# KiCad board Phoenix612 Complete v1.1.kicad_pcb
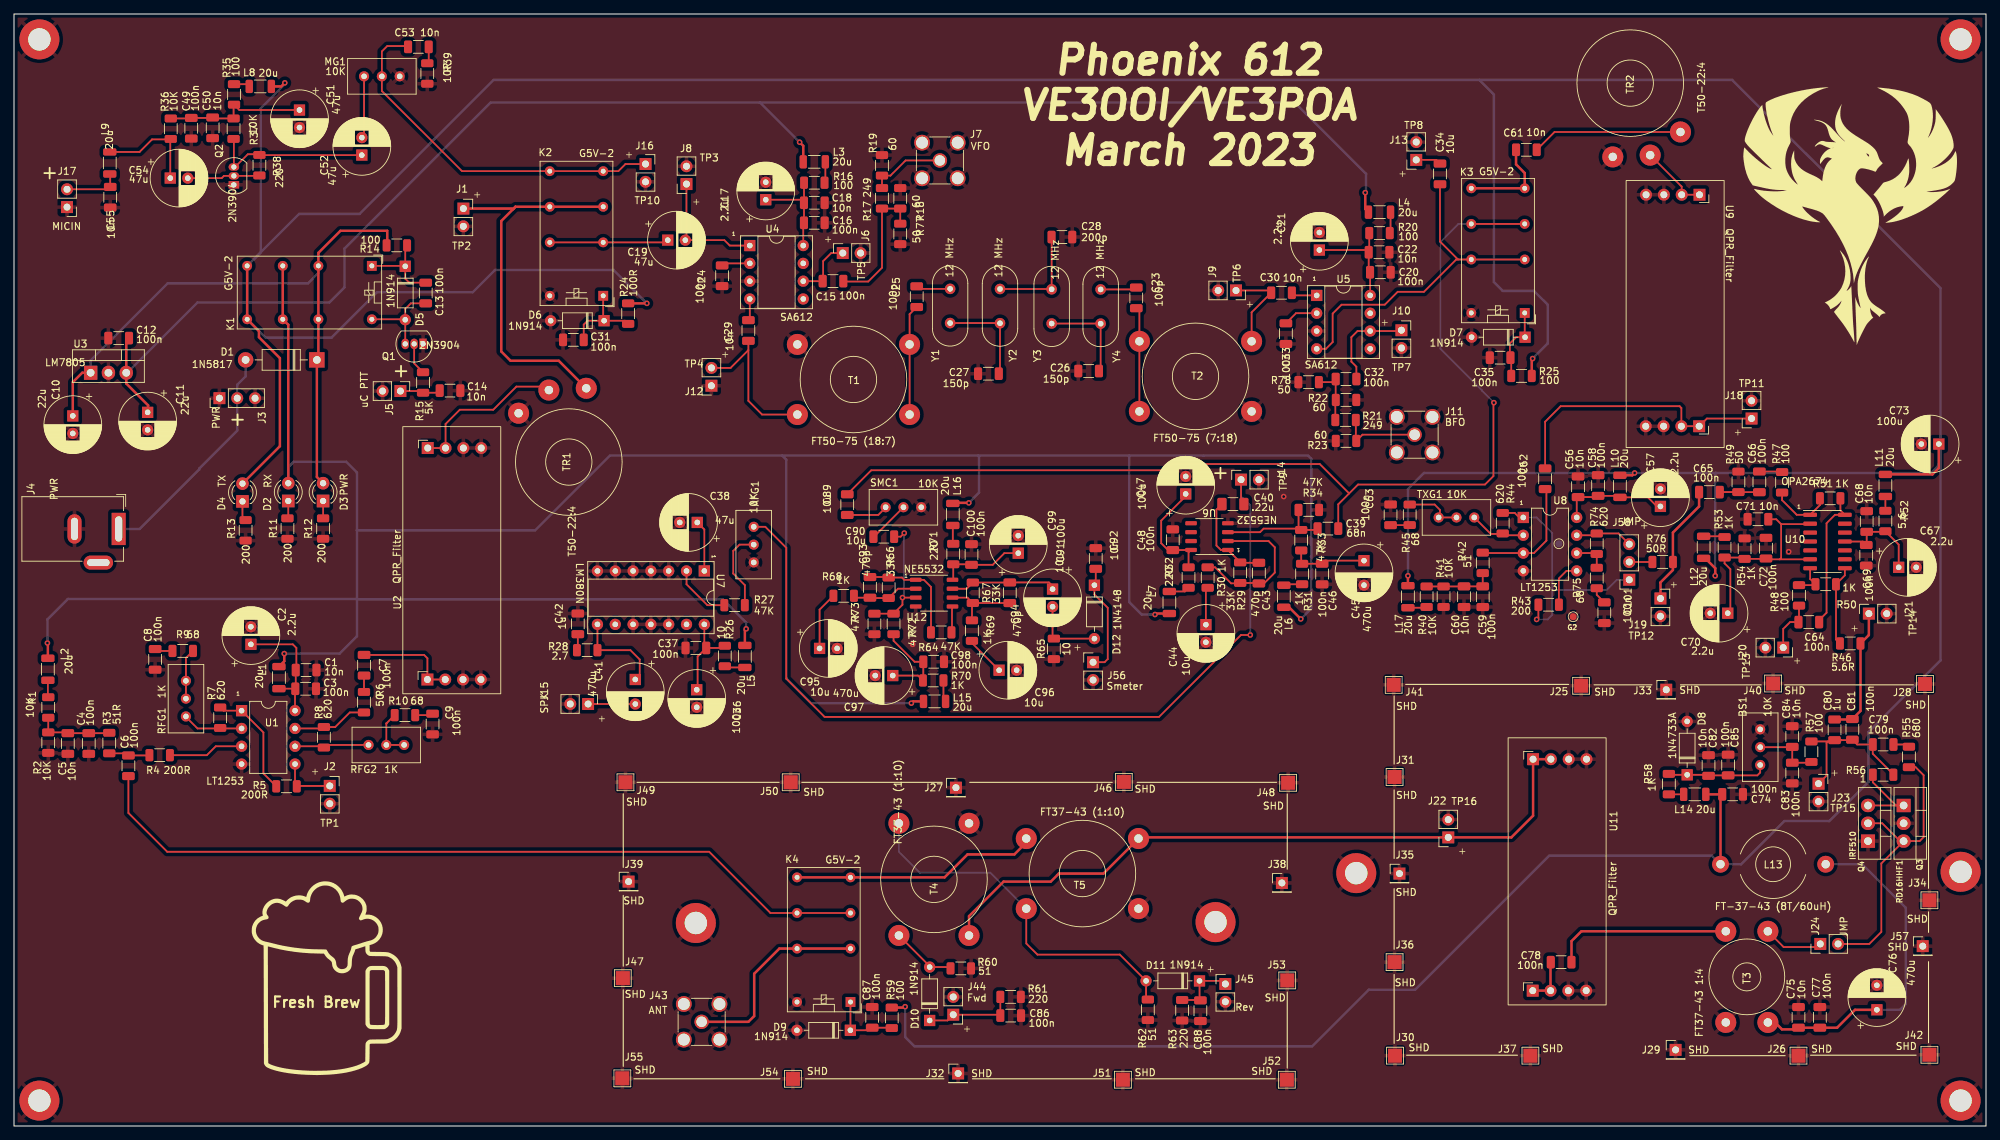
[diagram p0: board, top side]
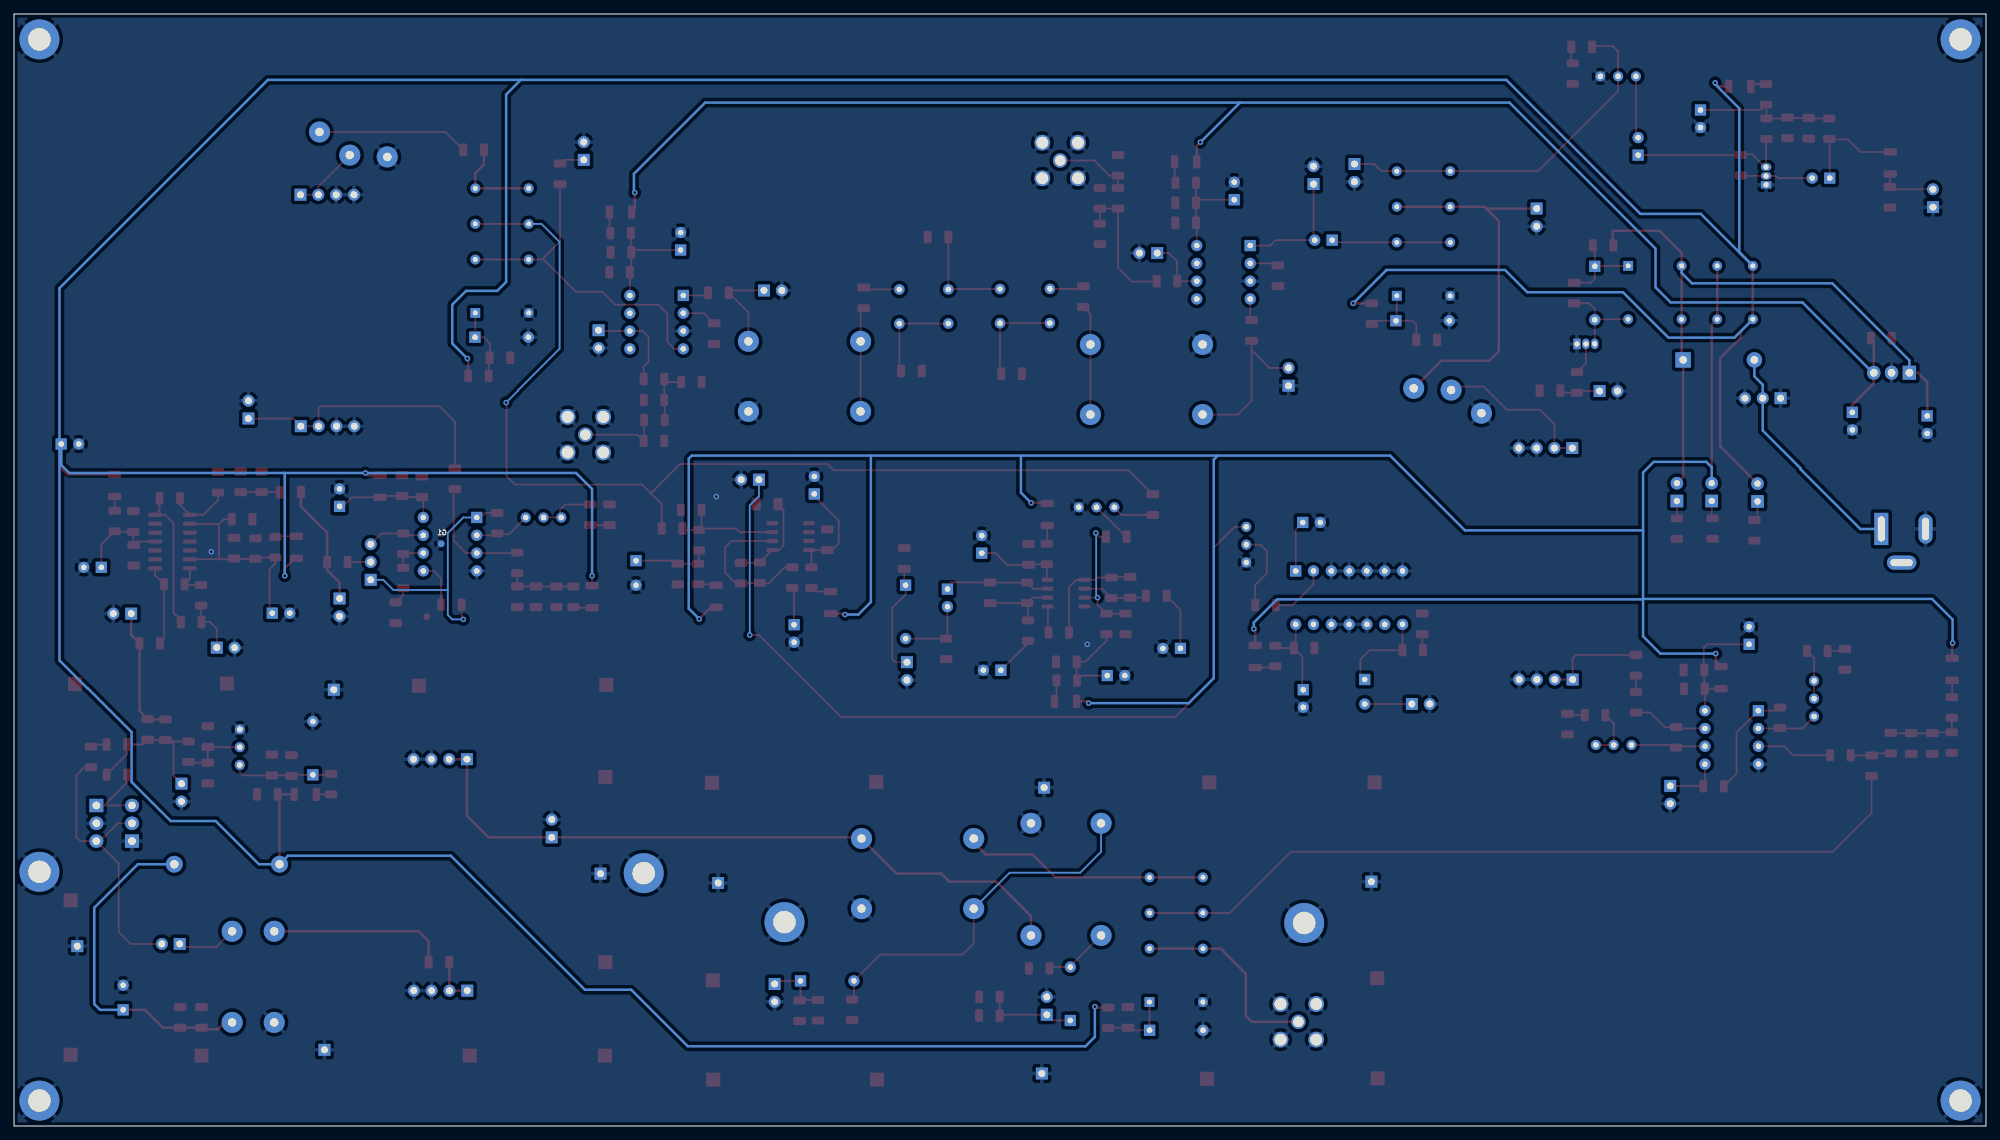
[diagram p1: board, bottom side, seen from below]

Outline 281.18 x 158.62 mm; copper layers: Top, Bottom. Coordinates in mm from the lower left corner of the outline.
Outline path: rectangle 0,158.62 281.18,0
Stack: Top 0.035mm / dielectric 1.51mm FR4 er 4.5 / Bottom 0.035mm

## Placement (name value [footprint] x y rotation side)
AFG1  10K  [Potentiometer_Bourns_3296W_Vertical]  105.47 80.39 270 top
BS1  10K  [Potentiometer_Bourns_3296W_Vertical]  248.98 56.58 90 top
C1  10n  [C_1206_3216Metric]  41.65 65.04 0 top
C2  2.2u  [CP_Radial_D8.0mm_P2.50mm]  33.77 68.71 90 top
C3  100n  [C_1206_3216Metric]  41.58 62.37 0 top
C4  100n  [C_1206_3216Metric]  10.66 54.56 270 top
C5  10n  [C_1206_3216Metric]  7.67 54.56 270 top
C6  100n  [C_1206_3216Metric]  16.31 51.38 90 top
C7  100n  [C_1206_3216Metric]  49.91 65.72 90 top
C8  100n  [C_1206_3216Metric]  20.12 66.56 270 top
C9  100n  [C_1206_3216Metric]  59.68 57.34 270 top
C10  22u  [CP_Radial_D8.0mm_P2.50mm]  8.38 101.29 270 top
C11  22u  [CP_Radial_D8.0mm_P2.50mm]  19.05 101.8 270 top
C12  100n  [C_1206_3216Metric]  14.92 112.39 180 top
C13  100n  [C_1206_3216Metric]  58.7 118.82 270 top
C14  10n  [C_1206_3216Metric]  62.17 104.9 180 top
C15  100n  [C_1206_3216Metric]  116.78 120.52 180 top
C16  100n  [C_1206_3216Metric]  114.11 128.84 0 top
C17  2.2u  [CP_Radial_D8.0mm_P2.50mm]  107.19 132.13 90 top
C18  10n  [C_1206_3216Metric]  114.11 131.7 0 top
C19  47u  [CP_Radial_D8.0mm_P2.50mm]  93.22 126.36 0 top
C20  100n  [C_1206_3216Metric]  194.83 121.78 0 top
C21  2.2u  [CP_Radial_D8.0mm_P2.50mm]  186.13 124.96 90 top
C22  10n  [C_1206_3216Metric]  194.64 124.64 0 top
C23  100p  [C_1206_3216Metric]  160.02 118.13 270 top
C24  100n  [C_1206_3216Metric]  100.97 121.28 270 top
C25  100p  [C_1206_3216Metric]  128.71 118.3 90 top
C26  150p  [C_1206_3216Metric]  153.23 107.7 180 top
C27  150p  [C_1206_3216Metric]  138.94 107.31 180 top
C28  200p  [C_1206_3216Metric]  149.42 126.81 0 top
C29  10n  [C_1206_3216Metric]  104.71 113.47 270 top
C30  10n  [C_1206_3216Metric]  180.73 118.86 0 top
C31  100n  [C_1206_3216Metric]  79.76 112.14 180 top
C32  100n  [C_1206_3216Metric]  189.93 106.55 0 top
C33  100n  [C_1206_3216Metric]  181.36 113.03 270 top
C34  10u  [C_1206_3216Metric]  203.33 135.81 90 top
C35  100n  [C_1206_3216Metric]  211.9 109.6 180 top
C36  100u  [CP_Radial_D8.0mm_P2.50mm]  97.35 62.23 270 top
C37  100n  [C_1206_3216Metric]  97.22 68.19 180 top
C38  47u  [CP_Radial_D8.0mm_P2.50mm]  97.42 86.1 180 top
C39  68n  [C_1206_3216Metric]  187.35 85.22 180 top
C40  .22u  [C_1206_3216Metric_Pad1.33x1.80mm_HandSolder]  173.8 88.71 0 top
C41  470u  [CP_Radial_D8.0mm_P3.50mm]  88.58 63.69 270 top
C42  1u  [C_1206_3216Metric]  80.39 71.63 90 top
C43  470p  [C_1206_3216Metric]  177.5 78.87 90 top
C44  10u  [CP_Radial_D8.0mm_P2.50mm]  169.95 71.51 270 top
C45  470u  [CP_Radial_D8.0mm_P3.50mm]  192.49 80.65 270 top
C46  100n  [C_1206_3216Metric]  186.52 78.74 270 top
C47  100u  [CP_Radial_D8.0mm_P2.50mm]  167.07 90.16 90 top
C48  100n  [C_1206_3216Metric]  165.23 83.63 90 top
C49  100n  [C_1206_3216Metric]  25.27 142.33 270 top
C50  10n  [C_1206_3216Metric]  28.32 142.39 270 top
C51  47u  [CP_Radial_D8.0mm_P2.50mm]  40.7 144.93 270 top
C52  47u  [CP_Radial_D8.0mm_P2.50mm]  49.59 138.49 90 top
C53  10n  [C_1206_3216Metric]  57.66 153.94 0 top
C54  47u  [CP_Radial_D8.0mm_P2.50mm]  22.28 135.21 0 top
C55  10n  [C_1206_3216Metric]  13.72 132.48 270 top
C56  10n  [C_1206_3216Metric]  223.01 91.19 90 top
C57  2.2u  [CP_Radial_D8.0mm_P2.50mm]  234.76 88.38 90 top
C58  100n  [C_1206_3216Metric]  225.87 91.36 90 top
C59  100n  [C_1206_3216Metric]  209.42 75.5 270 top
C60  10n  [C_1206_3216Metric]  206.76 75.5 270 top
C61  10n  [C_1206_3216Metric]  215.65 139.26 0 top
C62  100n  [C_1206_3216Metric]  218.31 92.33 270 top
C63  100n  [C_1206_3216Metric]  196.28 87.19 90 top
C64  100n  [C_1206_3216Metric]  255.91 71.88 180 top
C65  100n  [C_1206_3216Metric]  241.74 90.42 0 top
C66  100n  [C_1206_3216Metric]  248.87 91.88 90 top
C67  2.2u  [CP_Radial_D8.0mm_P2.50mm]  268.73 79.69 0 top
C68  10n  [C_1206_3216Metric]  264.17 86.23 90 top
C69  100n  [C_1206_3216Metric]  264.11 81.41 270 top
C70  2.2u  [CP_Radial_D8.0mm_P2.50mm]  244.36 73.15 180 top
C71  10n  [C_1206_3216Metric]  248.67 86.55 180 top
C72  100n  [C_1206_3216Metric]  249.81 82.42 90 top
C73  100u  [CP_Radial_D8.0mm_P2.50mm]  274.46 97.28 180 top
C74  100n  [C_1206_3216Metric]  245.05 47.31 0 top
C75  10n  [C_1206_3216Metric]  254.44 15.49 90 top
C76  470u  [CP_Radial_D8.0mm_P3.50mm]  265.62 16.57 90 top
C77  100n  [C_1206_3216Metric]  257.49 15.49 90 top
C78  100n  [C_1206_3216Metric]  220.6 23.37 180 top
C79  100n  [C_1206_3216Metric]  266.51 54.42 180 top
C80  1u  [C_1206_3216Metric]  259.59 56.51 90 top
C81  100n  [C_1206_3216Metric]  262.13 56.58 90 top
C82  10n  [C_1206_3216Metric]  241.62 51.42 90 top
C83  100n  [C_1206_3216Metric]  253.56 50.35 270 top
C84  10n  [C_1206_3216Metric]  253.56 55.55 90 top
C85  100n  [C_1206_3216Metric]  244.41 51.49 90 top
C86  100n  [C_1206_3216Metric]  142.11 15.75 0 top
C87  100n  [C_1206_3216Metric]  122.36 15.49 90 top
C88  100n  [C_1206_3216Metric]  169.16 16.45 270 top
C89  10u  [C_1206_3216Metric]  118.81 88.64 270 top
C90  10u  [C_1206_3216Metric]  124.02 84.06 0 top
C91  10u  [CP_Radial_D8.0mm_P2.50mm]  148.08 76.58 270 top
C92  10n  [C_1206_3216Metric]  154.24 80.95 90 top
C93  470p  [C_1206_3216Metric]  122.05 76.83 90 top
C94  470p  [C_1206_3216Metric]  141.99 76.06 90 top
C95  10u  [CP_Radial_D8.0mm_P2.50mm]  114.86 68.13 0 top
C96  10u  [CP_Radial_D8.0mm_P2.50mm]  140.46 65.01 0 top
C97  470u  [CP_Radial_D8.0mm_P2.50mm]  125.3 64.25 180 top
C98  100n  [C_1206_3216Metric]  131.13 66.22 0 top
C99  100u  [CP_Radial_D8.0mm_P2.50mm]  143.19 81.71 90 top
C100  100n  [C_1206_3216Metric]  136.52 81.52 90 top
C101  100n  [C_1206_3216Metric]  226.76 73.22 270 top
D1  1N5817  [D_DO-41_SOD81_P10.16mm_Horizontal]  43.18 109.28 180 top
D2  RX  [LED_D3.0mm]  39.11 89.16 90 top
D3  PWR  [LED_D3.0mm]  44.07 89.15 90 top
D4  TX  [LED_D3.0mm]  32.58 89.1 90 top
D5  1N914  [D_DO-35_SOD27_P7.62mm_Horizontal]  55.78 122.63 270 top
D6  1N914  [D_DO-35_SOD27_P7.62mm_Horizontal]  84.14 114.87 180 top
D7  1N914  [D_DO-35_SOD27_P7.62mm_Horizontal]  215.46 112.52 180 top
D8  1N4733A  [D_DO-35_SOD27_P7.62mm_Horizontal]  238.57 50.09 90 top
D9  1N914  [D_DO-35_SOD27_P7.62mm_Horizontal]  119.25 13.65 180 top
D10  1N914  [D_DO-35_SOD27_P7.62mm_Horizontal]  130.56 15.05 90 top
D11  1N914  [D_DO-35_SOD27_P7.62mm_Horizontal]  169.04 20.7 180 top
D12  1N4148  [D_DO-35_SOD27_P7.62mm_Horizontal]  154.05 77.14 270 top
G1  GND  [TestPoint_Pad_D1.0mm]  220.28 83.06 0 top
G2  GND  [TestPoint_Pad_D1.0mm#2]  222.31 72.64 0 top
G***  LOGO  [Phoenix-logo]  261.81 129.68 0 top
H1  MountingHole  [MountingHole_3.2mm_M3_ISO7380_Pad_TopBottom]  277.56 155 0 top
H2  MountingHole  [MountingHole_3.2mm_M3_ISO7380_Pad_TopBottom]  3.62 155 0 top
H3  MountingHole  [MountingHole_3.2mm_M3_ISO7380_Pad_TopBottom]  3.62 3.62 0 top
H4  MountingHole  [MountingHole_3.2mm_M3_ISO7380_Pad_TopBottom]  277.56 3.62 0 top
H5  MountingHole  [MountingHole_3.2mm_M3_ISO7380_Pad_TopBottom]  191.39 36.07 0 top
H6  MountingHole  [MountingHole_3.2mm_M3_ISO7380_Pad_TopBottom]  277.56 36.26 0 top
H7  MountingHole  [MountingHole_3.2mm_M3_ISO7380_Pad_TopBottom]  171.32 29.08 0 top
H8  MountingHole  [MountingHole_3.2mm_M3_ISO7380_Pad_TopBottom]  97.22 28.96 0 top
J1  TP2  [PinSocket_1x02_P2.54mm_Vertical]  64.07 130.87 0 top
J2  TP1  [PinSocket_1x02_P2.54mm_Vertical]  45.02 48.51 0 top
J3  PWR  [PinHeader_1x03_P2.54mm_Vertical]  29.29 103.82 90 top
J4  PWR  [BarrelJack_GCT_DCJ200-10-A_Horizontal]  14.92 85.17 270 top
J5  uC PTT  [PinHeader_1x02_P2.54mm_Vertical]  55.09 104.84 270 top
J6  TP5  [PinSocket_1x02_P2.54mm_Vertical]  118.17 124.52 90 top
J7  VFO  [SMA_Amphenol_901-144_Vertical]  132.02 137.73 0 top
J8  TP3  [PinSocket_1x02_P2.54mm_Vertical]  95.89 134.37 180 top
J9  TP6  [PinSocket_1x02_P2.54mm_Vertical]  174.24 119.19 270 top
J10  TP7  [PinSocket_1x02_P2.54mm_Vertical]  197.83 113.52 0 top
J11  BFO  [SMA_Amphenol_901-144_Vertical]  199.71 98.62 0 top
J12  TP4  [PinSocket_1x02_P2.54mm_Vertical]  99.44 105.6 180 top
J13  TP8  [PinSocket_1x02_P2.54mm_Vertical]  199.94 137.81 180 top
J14  TP9  [PinSocket_1x02_P2.54mm_Vertical]  174.96 92.2 90 top
J15  SPK  [PinHeader_1x02_P2.54mm_Vertical]  81.86 60.2 270 top
J16  TP10  [PinSocket_1x02_P2.54mm_Vertical]  90.04 137.22 0 top
J17  MICIN  [PinHeader_1x02_P2.54mm_Vertical]  7.56 131.08 180 top
J18  TP11  [PinSocket_1x02_P2.54mm_Vertical]  247.75 100.92 180 top
J19  TP12  [PinSocket_1x02_P2.54mm_Vertical]  234.76 75.25 0 top
J20  TP13  [PinSocket_1x02_P2.54mm_Vertical]  252.27 68.24 270 top
J21  TP14  [PinSocket_1x02_P2.54mm_Vertical]  264.48 73.09 90 top
J22  TP16  [PinSocket_1x02_P2.54mm_Vertical]  204.51 41.17 180 top
J23  TP15  [PinSocket_1x02_P2.54mm_Vertical]  257.3 48.83 0 top
J24  JMP  [PinHeader_1x02_P2.54mm_Vertical]  257.55 25.97 90 top
J25  SHD  [TestPoint_Pad_2.0x2.0mm]  223.46 62.8 0 top
J26  SHD  [TestPoint_Pad_2.0x2.0mm]  254.44 10.03 0 top
J27  SHD  [PinHeader_1x01_P2.54mm_Vertical]  134.3 48.26 0 top
J28  SHD  [TestPoint_Pad_2.0x2.0mm]  272.48 63.06 0 top
J29  SHD  [PinHeader_1x01_P2.54mm_Vertical]  236.92 10.86 0 top
J30  SHD  [TestPoint_Pad_2.0x2.0mm]  196.91 10.03 0 top
J31  SHD  [TestPoint_Pad_2.0x2.0mm]  196.85 49.78 0 top
J32  SHD  [PinHeader_1x01_P2.54mm_Vertical]  134.62 7.49 0 top
J33  SHD  [PinHeader_1x01_P2.54mm_Vertical]  235.58 62.23 0 top
J34  SHD  [TestPoint_Pad_2.0x2.0mm]  273.11 32.19 0 top
J35  SHD  [PinHeader_1x01_P2.54mm_Vertical]  197.55 36 0 top
J36  SHD  [TestPoint_Pad_2.0x2.0mm]  196.85 23.37 0 top
J37  SHD  [TestPoint_Pad_2.0x2.0mm]  216.22 10.03 0 top
J38  SHD  [PinHeader_1x01_P2.54mm_Vertical]  180.78 34.67 0 top
J39  SHD  [PinHeader_1x01_P2.54mm_Vertical]  87.63 34.86 0 top
J40  SHD  [TestPoint_Pad_2.0x2.0mm]  250.82 63.12 0 top
J41  SHD  [TestPoint_Pad_2.0x2.0mm]  196.72 62.93 0 top
J42  SHD  [TestPoint_Pad_2.0x2.0mm]  273.11 10.16 0 top
J43  ANT  [SMA_Amphenol_901-144_Vertical]  98.04 14.86 0 top
J44  Fwd  [PinHeader_1x02_P2.54mm_Vertical]  133.92 15.87 180 top
J45  Rev  [PinHeader_1x02_P2.54mm_Vertical]  172.72 20.26 0 top
J46  SHD  [TestPoint_Pad_2.0x2.0mm]  158.24 49.09 0 top
J47  SHD  [TestPoint_Pad_2.0x2.0mm]  86.8 21.08 0 top
J48  SHD  [TestPoint_Pad_2.0x2.0mm]  181.67 48.96 0 top
J49  SHD  [TestPoint_Pad_2.0x2.0mm]  87.19 49.02 0 top
J50  SHD  [TestPoint_Pad_2.0x2.0mm]  110.74 49.02 0 top
J51  SHD  [TestPoint_Pad_2.0x2.0mm]  158.11 6.6 0 top
J52  SHD  [TestPoint_Pad_2.0x2.0mm]  181.48 6.6 0 top
J53  SHD  [TestPoint_Pad_2.0x2.0mm]  181.55 20.76 0 top
J54  SHD  [TestPoint_Pad_2.0x2.0mm]  111.06 6.73 0 top
J55  SHD  [TestPoint_Pad_2.0x2.0mm]  86.74 6.79 0 top
J56  Smeter  [PinHeader_1x02_P2.54mm_Vertical]  153.86 66.16 0 top
J57  SHD  [PinHeader_1x01_P2.54mm_Vertical]  272.16 25.65 0 top
J58  JMP  [PinSocket_1x03_P2.54mm_Vertical]  230.31 77.91 180 top
K1  G5V-2  [Relay_DPDT_Omron_G5V-2]  51.02 122.7 270 top
K2  G5V-2  [Relay_DPDT_Omron_G5V-2]  84.01 118.43 180 top
K3  G5V-2  [Relay_DPDT_Omron_G5V-2]  215.41 115.98 180 top
K4  G5V-2  [Relay_DPDT_Omron_G5V-2]  119.27 17.69 180 top
L1  20u  [L_1206_3216Metric]  37.77 63.96 270 top
L2  20u  [L_1206_3216Metric]  4.83 65.15 270 top
L3  20u  [L_1206_3216Metric]  114.11 137.54 0 top
L4  20u  [L_1206_3216Metric]  194.7 130.36 0 top
L5  20u  [L_1206_3216Metric]  104.21 66.98 270 top
L6  20u  [L_1206_3216Metric]  181.06 75.56 90 top
L7  20u  [L_1206_3216Metric]  164.74 74.68 90 top
L8  20u  [L_1206_3216Metric]  35.12 148.3 180 top
L9  20u  [L_1206_3216Metric]  13.65 137.37 90 top
L10  20u  [L_1206_3216Metric]  228.98 91.25 270 top
L11  20u  [L_1206_3216Metric]  266.84 91.38 90 top
L12  20u  [L_1206_3216Metric]  240.92 82.55 270 top
L13  FT-37-43 (8T/60uH)  [L_Toroid_Horizontal_D9.5mm_P15.00mm_Diameter10-5mm_Amidon-T37]  243.32 37.34 0 top
L14  20u  [L_1206_3216Metric]  239.65 47.31 0 top
L15  20u  [L_1206_3216Metric]  131.25 60.57 0 top
L16  20u  [L_1206_3216Metric]  133.86 87.24 270 top
L17  20u  [L_1206_3216Metric]  198.75 75.5 270 top
MG1  10K  [Potentiometer_Bourns_3296W_Vertical]  54.99 149.73 0 top
Q1  2N3904  [TO-92_Inline]  58.32 111.56 180 top
Q2  2N3904  [TO-92_Inline]  31.35 134.26 90 top
Q3  RD16HHF1  [TO-220-3]  269.44 45.72 270 top
Q4  IRF510  [TO-220-3_REV]  264.36 45.72 270 top
R1  10K  [R_1206_3216Metric]  4.88 59.7 270 top
R2  10K  [R_1206_3216Metric]  4.88 54.69 270 top
R3  51R  [R_1206_3216Metric]  13.58 54.62 90 top
R4  200R  [R_1206_3216Metric]  20.77 52.9 0 top
R5  200R  [R_1206_3216Metric]  38.85 48.45 0 top
R6  50  [R_1206_3216Metric]  49.9 60.45 90 top
R7  620  [R_1206_3216Metric]  29.39 58.24 90 top
R8  620  [R_1206_3216Metric]  44.19 55.45 270 top
R9  68  [R_1206_3216Metric]  24.06 67.77 180 top
R10  68  [R_1206_3216Metric]  55.74 58.61 0 top
R11  200  [R_1206_3216Metric]  38.99 85.22 270 top
R12  200  [R_1206_3216Metric]  44.07 85.22 270 top
R13  200  [R_1206_3216Metric]  33.02 84.97 270 top
R14  100  [R_1206_3216Metric]  54.59 125.62 180 top
R15  5K  [R_1206_3216Metric]  58.32 106.06 270 top
R16  100  [R_1206_3216Metric]  114.11 134.56 180 top
R17  249  [R_1206_3216Metric]  123.76 132.33 90 top
R18  60  [R_1206_3216Metric]  126.36 132.33 90 top
R19  60  [R_1206_3216Metric]  123.76 137.03 90 top
R20  100  [R_1206_3216Metric]  194.7 127.37 180 top
R21  249  [R_1206_3216Metric]  189.86 100.71 0 top
R22  60  [R_1206_3216Metric]  189.93 103.57 0 top
R23  60  [R_1206_3216Metric]  189.93 97.73 180 top
R24  100R  [R_1206_3216Metric]  87.57 115.89 90 top
R25  100  [R_1206_3216Metric]  214.95 107 0 top
R26  10  [R_1206_3216Metric]  101.35 67.04 90 top
R27  47K  [R_1206_3216Metric]  102.74 74.29 180 top
R28  2.7  [R_1206_3216Metric]  81.73 67.87 180 top
R29  33K  [R_1206_3216Metric]  174.84 78.93 90 top
R30  1K  [R_1206_3216Metric]  170.2 78.23 270 top
R31  1K  [R_1206_3216Metric]  183.66 78.74 90 top
R32  220  [R_1206_3216Metric]  167.47 78.23 90 top
R33  47K  [R_1206_3216Metric]  183.54 83.57 270 top
R34  47K  [R_1206_3216Metric]  184.62 87.88 0 top
R35  100  [R_1206_3216Metric]  31.37 147.15 270 top
R36  10K  [R_1206_3216Metric]  22.35 142.26 270 top
R37  10K  [R_1206_3216Metric]  31.31 142.26 270 top
R38  220  [R_1206_3216Metric]  34.99 137.06 90 top
R39  10R  [R_1206_3216Metric]  58.93 150.14 90 top
R40  10K  [R_1206_3216Metric]  201.42 75.5 90 top
R41  10K  [R_1206_3216Metric]  203.83 75.5 270 top
R42  51  [R_1206_3216Metric]  209.42 80.33 270 top
R43  200  [R_1206_3216Metric]  218.82 74.36 0 top
R44  620  [R_1206_3216Metric]  212.27 85.99 90 top
R45  68  [R_1206_3216Metric]  199.01 87.19 270 top
R46  5.6R  [R_1206_3216Metric]  261.82 68.83 0 top
R47  100  [R_1206_3216Metric]  252.1 91.82 270 top
R48  100  [R_1206_3216Metric]  254.52 75.69 90 top
R49  50  [R_1206_3216Metric]  245.88 91.88 270 top
R50  1K  [R_1206_3216Metric]  258.33 77.28 0 top
R51  1K  [R_1206_3216Metric]  258.96 89.53 0 top
R52  5.6  [R_1206_3216Metric]  266.84 86.3 270 top
R53  1K  [R_1206_3216Metric]  243.9 82.55 270 top
R54  1K  [R_1206_3216Metric]  246.76 82.36 90 top
R55  680  [R_1206_3216Metric]  270.19 52.64 90 top
R56  1  [R_1206_3216Metric]  266.51 50.1 0 top
R57  100  [R_1206_3216Metric]  256.29 53.39 90 top
R58  1K  [R_1206_3216Metric]  235.97 48.77 90 top
R59  100  [R_1206_3216Metric]  125.16 15.43 90 top
R60  51  [R_1206_3216Metric]  135 22.48 180 top
R61  220  [R_1206_3216Metric]  142.1 18.41 180 top
R62  51  [R_1206_3216Metric]  161.67 16.57 90 top
R63  220  [R_1206_3216Metric]  166.56 16.51 90 top
R64  47K  [R_1206_3216Metric]  132.21 70.41 0 top
R65  10  [R_1206_3216Metric]  148.27 68.06 90 top
R66  33K  [R_1206_3216Metric]  124.71 76.77 90 top
R67  33K  [R_1206_3216Metric]  136.72 76.06 90 top
R68  1K  [R_1206_3216Metric]  118.3 75.63 180 top
R69  1K  [R_1206_3216Metric]  136.59 70.67 270 top
R70  1K  [R_1206_3216Metric]  131.06 63.55 180 top
R71  220  [R_1206_3216Metric]  133.92 81.59 270 top
R72  47K  [R_1206_3216Metric]  125.41 71.62 270 top
R73  47K  [R_1206_3216Metric]  122.68 71.62 270 top
R74  620  [R_1206_3216Metric]  225.68 83.06 90 top
R75  68  [R_1206_3216Metric]  225.68 78.17 270 top
R76  50R  [R_1206_3216Metric]  235.08 80.45 0 top
R77  50  [R_1206_3216Metric]  126.36 127.25 270 top
R78  50  [R_1206_3216Metric]  184.59 106.11 180 top
REF**  -  [Homebrew_mug]  43.04 19.84 0 top
RFG1  1K  [Potentiometer_Bourns_3296W_Vertical]  24.51 63.5 90 top
RFG2  1K  [Potentiometer_Bourns_3296W_Vertical]  55.63 54.36 0 top
SMC1  10K  [Potentiometer_Bourns_3296W_Vertical]  129.36 88.26 0 top
T1  FT50-75 (18:7)  [Transformer_Toroid_Horizontal_D14.0mm_Amidon-T50]  111.7 101.49 0 top
T2  FT50-75 (7:18)  [Transformer_Toroid_Horizontal_D14.0mm_Amidon-T50]  160.47 101.93 0 top
T3  FT37-43 1:4  [Transformer_Toroid_Horizontal_D10.5mm_Amidon-T37]  250.08 14.77 90 top
T4  FT37-43 (1:10)  [Transformer_Toroid_Horizontal_D14.0mm_Amidon-T50]  126.17 43.18 270 top
T5  FT37-43 (1:10)  [Transformer_Toroid_Horizontal_D14.0mm_Amidon-T50]  160.34 41 180 top
TR1  T50-22:4  [T50-1Tap-Close]  80.58 106.25 270 top
TR2  T50-22:4  [T50-1Tap-Close]  228.98 137.22 90 top
TXG1  10K  [Potentiometer_Bourns_3296W_Vertical]  203.14 86.8 180 top
U1  LT1253  [DIP-8_W7.62mm]  32.45 59.25 0 top
U2  QPR_Filter  [QRPLabs_Filter_TH]  64.33 73.85 90 top
U3  LM7805  [TO-220-3_Vertical]  10.92 107.45 0 top
U4  SA612  [DIP-8_W7.62mm_Socket]  104.91 125.59 0 top
U5  SA612  [DIP-8_W7.62mm_Socket]  185.75 118.48 0 top
U6  NE5532  [SOP-8_3.9x4.9mm_P1.27mm]  170.46 84.07 180 top
U7  LM380N  [DIP-14_W7.62mm_Socket]  98.43 79.17 270 top
U8  LT1253  [DIP-8_W7.62mm]  215.2 86.8 0 top
U9  QPR_Filter  [QRPLabs_Filter_TH]  234.95 122.68 270 top
U10  OPA2674  [SOIC-14_3.9x8.7mm_P1.27mm]  258.58 83.38 0 top
U11  QPR_Filter  [QRPLabs_Filter_TH]  221.93 29.46 90 top
U12  NE5532  [SOP-8_3.9x4.9mm_P1.27mm]  131.19 76.01 0 top
Y1  12 MHz  [Crystal_HC49-4H_Vertical]  133.48 119.42 270 top
Y2  12 MHz  [Crystal_HC49-4H_Vertical]  140.59 114.52 90 top
Y3  12 MHz  [Crystal_HC49-4H_Vertical]  147.95 119.35 270 top
Y4  12 MHz  [Crystal_HC49-4H_Vertical]  154.94 114.45 90 top

## Library data of the parts
D1 D5-D10 D12 = -: Field4: K; Field5: K
D11 = -: Field4: K; Field6: K
TR1 = -: Field4: End; Field6: Tap1; Field7: Start
TR2 = -: Field4: End; Field5: Tap1; Field6: Start
